# Altium PCB LimeKEY-RPCM_1v1.PcbDoc (part 7 of 8)
Units mm, origin at the board's own origin, x right, y up, seen from the top; angles counter-clockwise.
Board outline 170 x 110 mm, 6 copper layers (Top, L2, L3, L4, L5, Bottom), stack 1.583 mm thick; 724 components, 437 nets, 3151 pads, 1373 vias.
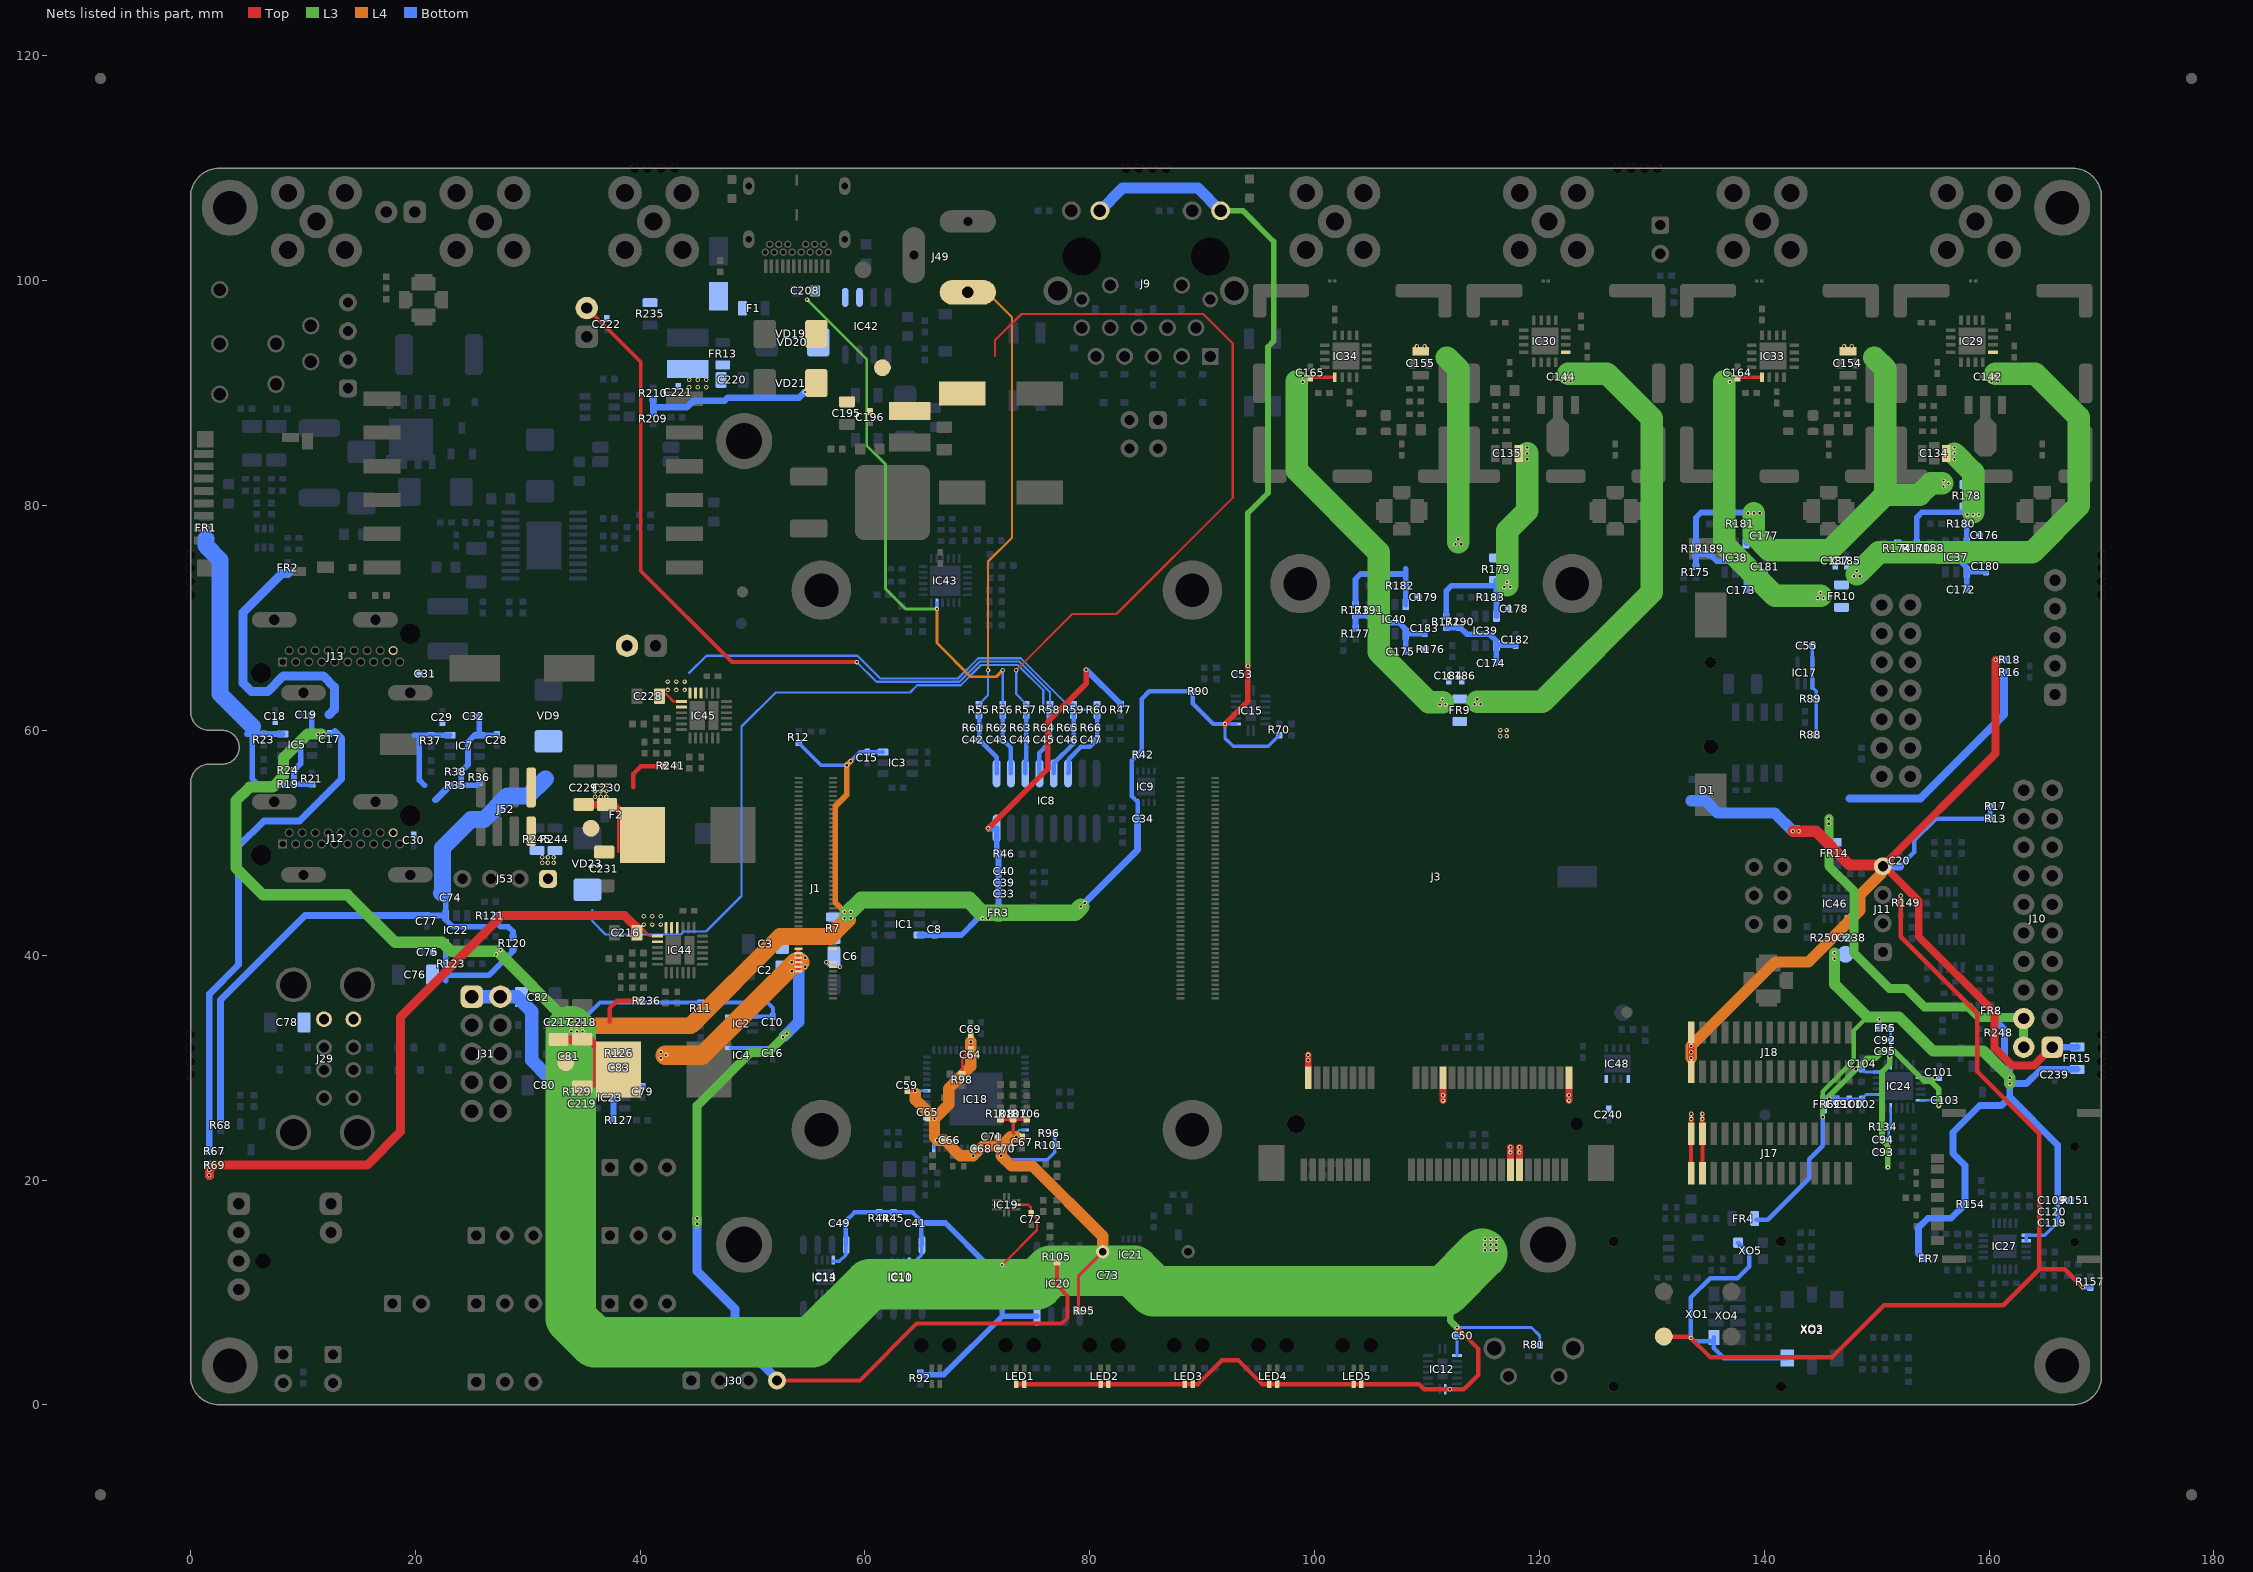
[diagram p11: the nets of this part, all layers, seen from the top]

## Via types
v1: diameter 0.4, hole 0.2, Top to Bottom, tented both sides, 1353 vias
v2: diameter 0.5, hole 0.2, Top to Bottom, tented both sides, 20 vias

## Nets (pads, with @x,y where several pads share a name; then routed paths per layer and width w, separated by ;. In a path a pad name is that pad's centre, name@x,y a point inside that pad or via, vN(x,y) a via of type N, cw(c..) or ccw(c..) an arc to the next point about the centre after c; other vN are vias at no path point) (continued)
VCC3P3: BZ1.1 C8.1 C10.1 C15.1 C17.1 C19.2 C20.1 C34.1 C41.1 C49.1 C50.2 C53.2 C59.1 C64.2 C65.1 C66.1 C67.1 C68.1 C69.1 C70.1 C71.2 C72.1 C73.1 C217.2 C218.2 C219.2 C240.2 D1.A1 FR2.2 FR3.1 FR15.1 IC1.6 IC2.1 IC2.5 IC3.6 IC5.1 IC9.8 IC10.8 IC11.8 IC12.10 IC12.16 IC13.8 IC14.8 IC15.10 IC15.16 IC18.5 IC18.10 IC18.24 IC18.46 IC18.52 IC18.57 IC18.64 IC19.9 IC20.8 IC21.8 IC48.5 IC48.8 J1.78 J3.2 J3.24 J3.39 J3.41 J3.52 J9.15 J9.17 J10.1 J11.4 J17.14 J17.15 J18.15 L7.2 LED1.1 LED1.2 LED2.1 LED2.2 LED3.1 LED3.2 LED4.1 LED4.2 LED5.1 LED5.2 R7.2 R11.1 R12.1 R13.2 R17.2 R18.1 R19.2 R21.2 R24.1 R42.2 R44.2 R45.2 R67.1 R70.1 R81.1 R90.1 R92.2 R95.2 R96.1 R98.2 R101.2 R106.2 R107.2 R108.2 R236.1 TP3.1 | length 782.8
  Top w0.2: 35.925,28.3 35.925,32.075 ; C59.1@63.75,27.95 v1(64.475,27.95) ; C65.1@65.6,25.525 65.675,25.45 v1(66.175,25.45) ; R98.2@68.65,29.425 68.65,30.925 69.2,31.475 69.25,31.475 C64.2@69.4,31.625 v1(69.4,32.3) C69.1@69.4,32.925 ; v1(69.625,22.15) 69.842,22.367 C68.1@69.842,22.792 C68.1@69.85,22.8 ; v1(72.2,12.45) 75.3,15.55 75.3,16.5 74.975,16.825 74.925,16.825 74.775,16.975 C72.1@74.775,17.025 74.775,17.55 74.525,17.8 IC19.9@73.425,17.8 ; v1(73.45,23.85) v1@73.475,23.875
  Top w0.3: v1(66.4,23.55) C66.1@67.025,23.55 ; C71.2@71.8,23.85 71.95,23.7 C70.1@71.95,22.8 71.95,22.352 ; R108.2@71.95,25.4 R107.2@73.175,25.4 ; v1(73.45,23.85) C67.1@74,23.85 ; v1@73.475,23.875 73.175,24.175 R107.2@73.175,25.4 ; R106.2@74.4,25.4 R107.2@73.175,25.4 ; R95.2@79,8.35 79,11.475 BZ1.1@81.15,13.625
  Top w0.35: J17.15@133.5,20.625 J17.15@133.5,24.125 ; J17.14@134.5,20.625 J17.14@134.5,24.125
  Top w0.4: 37.275,34.075 37.275,35.275 37.948,35.948 40.084,35.948 R236.1@40.091,35.948 R236.1@40.098,35.948 ; LED1.1@73.46,1.853 LED1.2@74.16,1.853 ; 73.875,1.85 80.96,1.85 LED2.1@80.96,1.853 LED3.1@88.46,1.853 89.628,1.853 91.725,3.95 93.225,3.95 95.322,1.853 103.175,1.853 ; LED5.1@103.46,1.853 104.16,1.853 LED5.2@104.16,1.85 ; LED5.2@104.308,1.85 109.275,1.85 109.741,1.384 v1(112.025,1.384) 113.284,1.384 114.575,2.675 114.575,4.975 v1(112.675,6.875) ; J17.15@133.5,24.125 v1(133.5,25.437) v1(133.5,25.9) ; J17.14@134.5,24.125 v1(134.5,25.437) v1(134.5,25.9)
  Top w0.5: v1(92.025,60.575) 94.064,62.614 v1(94.064,65.75)
  Top w0.6: J3.2@99.425,29.1 v1(99.425,31.125) ; v1(111.425,27.075) J3.24@111.425,29.1 ; J3.39@117.425,20.9 v1(117.425,22.925) ; J3.41@118.225,20.9 v1(118.225,22.925) ; v1(122.625,27.075) J3.52@122.625,29.1 ; J18.15@133.5,29.1 J18.15@133.5,29.625 v1(133.5,31.375) J18.15@133.5,33.125
  Top w0.7: C217.2@33.05,32.525 33.063,32.512 35.162,32.512 35.175,32.5 35.5,32.5 35.925,32.075 36.025,31.975 36.425,31.975 38.075,30.325 L7.2@38.075,29.825 ; J11.4@150.55,47.914 160.582,57.946 v1(160.582,66.282) ; J11.4@151.025,47.55 153.75,44.825 153.75,41.65 160.5,34.9 160.5,31.75 162.05,30.2 164,30.2 J10.1@165.62,31.82
  Top w1: v1(142.55,51.025) v1(143.05,51.025) 144.6,51.025 147.6,48.025 150.439,48.025 J11.4@150.55,47.914
  L3 w0.5: J9.15@91.64,106.225 93.625,106.225 96.35,103.5 96.35,94.625 95.85,94.125 95.85,81.125 94.064,79.339 v1(94.064,65.75)
  L3 w0.6: 112.075,9.2 112.075,7.475 v1(112.675,6.875)
  L3 w1: v1@11.65,59.675 v1(11.35,59.675) 10.4,59.675 8.275,57.55 8.275,55.925 7.325,54.975 5.275,54.975 4.05,53.75 4.05,47.775 6.45,45.375 13.975,45.375 18.2,41.15 22.375,41.15 23.175,40.35 27.3,40.35 27.375,40.275 33.55,34.1
  L3 w1.5: 58.425,43.65 59.675,44.9 69.25,44.9 70.375,43.775 78.675,43.775 v1@79.212,44.312
  L3 w4.5: v1@33.825,33.225 33.825,7.7 35.95,5.575 55.3,5.575 60.45,10.725 72.2,10.725 75.325,10.725 76.513,11.913 83.888,11.913 85.7,10.1 111.55,10.1 114.9,13.45
  L4 w0.5: v1(58.175,43.85) 57.35,44.675 57.35,53.25 58.375,54.275 v1(58.375,56.9) v1(58.725,57.25)
  L4 w1: 64.475,27.725 64.475,27.15 v1(66.175,25.45) ; v1(69.4,32.3) 69.4,30.1 67.45,28.15 67.45,26.725 v1(66.175,25.45) ; v1(73.45,23.85) 72.95,23.85 72.125,23.025 ; BZ1.1@81.15,13.625 81.15,15 74.9,21.25 73.025,21.25 v1(72.125,22.15) 72.125,23.025 ; v1(133.5,30.85) v1(133.5,31.925) 140.975,39.4 143.925,39.4 148.525,44 148.525,45.375 150.435,47.285 150.435,47.799 J11.4@150.55,47.914 ; v1(66.175,25.45) 66.175,23.775 v1(66.4,23.55) 67.075,23.55 68.475,22.15 v1(69.625,22.15) 70.5,23.025 72.125,23.025
  L4 w1.5: 34.075,33.725 44.5,33.725 52.425,41.65 56.935,41.65 58.45,43.165 58.45,43.55
  Bottom w0.2: v1(64.475,27.95) IC18.10@65.5,27.95 ; IC18.5@65.5,25.45 v1(66.175,25.45) ; IC18.64@66.125,22.825 66.125,23.275 v1(66.4,23.55) ; v1(69.4,32.3) 69.625,32.075 IC18.24@69.625,31.575 ; v1(69.625,22.15) IC18.57@69.625,22.825 ; v1(72.125,22.15) IC18.52@72.125,22.825 ; v1(73.45,23.85) 73.45,24.175 73.725,24.45 IC18.46@74.25,24.45
  Bottom w0.25: v1@92.025,60.57 IC15.10@93.014,60.57 ; IC15.16@94.064,63.57 v1(94.064,65.75) ; IC12.16@111.625,1.384 v1(112.025,1.384) ; IC12.10@112.675,4.384 v1(112.675,6.875) 119.3,6.875 120.025,6.15 R81.1@120.025,5.355
  Bottom w0.3: IC14.8@57.175,12.775 57.725,12.775 58.273,13.323 IC13.8@58.273,14.168 ; IC11.8@63.925,12.775 64.475,12.775 65.023,13.323 IC10.8@65.023,14.168 ; v1(72.125,22.15) 72.475,21.8 76.2,21.8 76.875,22.475 R101.2@76.875,23.075 R96.1@76.875,24.175 ; BZ1.1@81.15,13.625 81.15,12.475 81.525,12.1 81.575,12.1 81.725,11.95 IC21.8@82.95,11.95 ; v1@92.025,60.57 92.025,59.325 92.75,58.6 95.88,58.6 R70.1@96.85,59.57
  Bottom w0.35: v1(34.875,34.225) 36.425,35.775 51.325,35.775 51.8,35.3 C10.1@51.8,34.55 IC2.5@48.06,34.551 ; R12.1@54.1,58.9 56.1,56.9 v1(58.375,56.9) 59.55,58.075 C15.1@60.213,58.075 IC3.6@61.6,58.075
  Bottom w0.4: IC13.8@58.273,14.168 58.292,14.187 58.292,14.955 58.273,14.974 58.273,16.327 59.06,17.115 R44.2@61.27,17.115 R45.2@62.54,17.115 64.235,17.115 65.023,16.327 65.023,14.974 65.042,14.955 65.042,14.187 IC10.8@65.023,14.168 ; C34.1@84.25,52.149 IC9.8@84.25,53.6 84.25,53.638 83.75,54.138 83.75,57.351 R42.2@84.25,57.851 84.625,58.226 84.625,62.8 85.3,63.475 R90.1@89.175,63.475 89.175,62.375 90.98,60.57 v1@92.025,60.57 ; C20.1@152.071,47.9 153.325,49.154 153.325,50.225 155.25,52.15 R13.2@160.1,52.15 R17.2@160.1,53.25
  Bottom w0.5: R19.2@9.2,55.213 R24.1@9.2,56.438 9.81,57.048 9.81,59.074 10.4,59.664 10.4,59.673 v1(11.85,59.675) C17.1@12.385,59.673 ; R19.2@9.213,55.2 R21.2@10.8,55.2 ; IC5.1@10.8,59.675 C19.2@10.8,61.373 ; IC1.6@64.825,41.8 C8.1@66.212,41.8 68.575,41.8 70.06,43.285 v1(70.968,43.285) FR3.1@71.876,43.285 ; R92.2@64.91,2.853 65.088,2.675 67,2.675 72.2,7.875 ; C41.1@65.025,16.175 67.15,16.175 70.875,12.45 v1(72.2,12.45) 72.2,7.875 ; IC20.8@75.295,7.875 72.2,7.875
  Bottom w0.6: R67.1@1.675,22.578 1.675,36.55 4.275,39.15 4.275,49.7 6.525,51.95 9.7,51.95 13.425,55.675 13.425,59.333 12.854,59.904 ; v1(79.2,44.325) 84.25,49.375 C34.1@84.25,52.149 ; v1(160.582,66.282) R18.1@161.332,66.282 ; J10.1@165.62,31.82 167.82,31.82 FR15.1@167.85,31.85
  Bottom w0.7: J11.4@150.536,47.9 C20.1@152.071,47.9
  Bottom w0.8: FR2.2@8.65,73.952 8.127,73.952 4.675,70.5 4.675,64.2 5.425,63.45 6.85,63.45 8.25,64.85 11.8,64.85 12.8,63.85 12.8,61.875 12.325,61.4
  Bottom w1: J9.17@80.9,106.225 82.925,108.25 89.615,108.25 J9.15@91.64,106.225 ; D1.A1@133.475,53.738 D1.A1@133.758,53.738 134.762,53.738 135.85,52.65 140.925,52.65 v1(142.55,51.025) v1(143.05,51.025)
  other v1: 115.15,13.75 115.65,13.75 116.15,13.75 115.15,14.25 115.65,14.25 116.15,14.25 115.15,14.75 115.65,14.75 116.15,14.75 117.425,22.45 118.225,22.45 111.425,27.55 122.625,27.55 99.425,30.65 33.875,33.225 34.375,33.225 34.875,33.225 33.875,33.725 34.375,33.725 34.875,33.725 33.875,34.225 34.375,34.225 27.175,40.075 27.579,40.454 70.45,43.275 58.175,43.3 58.725,43.3 58.725,43.85 79.55,44.65
VCC3P3_CLK: C109.2 C119.1 C120.1 C238.2 C239.2 FR4.1 FR5.1 FR6.1 FR7.1 FR8.2 FR15.2 IC27.16 IC27.17 IC46.1 R151.2 R154.2 R248.2 R250.2 TP5.1 | length 99.9
  L3 w0.4: v1(145.199,25.589) 145.199,27.874 147.975,30.65 147.975,33.301 149.174,34.501
  L3 w1: v1(146.25,40.2) v1(146.25,39.688) 146.25,37.425 149.174,34.501 151.999,34.501 155.025,31.475 159.481,31.475 v1(161.85,29.106) v1(161.85,28.581)
  Bottom w0.3: IC27.17@163.3,14.6 IC27.16@163.3,15.1 164.024,15.1 164.95,15.1 166.05,16.2 C119.1@166.1,16.2
  Bottom w0.4: FR4.1@139.275,16.475 140.325,16.475 144,20.15 144,21.85 145.199,23.049 v1(145.199,25.589) ; v1(145.199,25.589) FR6.1@145.2,26.225 ; FR5.1@150.25,33.5 v1(150.251,34.3) ; C119.1@166.1,16.2 C120.1@166.1,17.2 C109.2@166.1,18.2 R151.2@167.225,18.2
  Bottom w0.6: FR7.1@154.2,13 153.725,13.475 153.725,15.775 154.55,16.6 156.624,16.6 R154.2@157.864,17.84 157.864,21.311 156.8,22.375 156.8,24.25 159.175,26.625 161.1,26.625 161.85,27.375 ; FR8.2@160.199,34.574 161.375,33.398 161.375,30.838 161.85,30.363 v1(161.85,29.106) v1(161.85,28.581) ; C109.2@166.1,18.2 166.1,23.125 161.85,27.375 ; FR15.2@167.85,29.85 164.6,29.85 163.331,28.581 v1(161.85,28.581) ; 161.85,27.375 v1(161.85,28.581)
VCC3P3_LMK: C92.2 C93.2 C94.2 C95.2 FR5.2 IC24.8 IC24.23 R134.2 | length 19
  L3 w0.5: v1(151,21.125) 151,23.025 150.475,23.55 150.475,29.625 151.175,30.325 v1(151.175,31)
  Bottom w0.25: C93.2@151.075,22.45 C94.2@151.075,23.575 R134.2@151.075,24.75 151.25,24.925 IC24.23@151.25,26.425 ; IC24.8@151.25,30.275 151.25,31 C95.2@151.25,31.45 C92.2@151.25,32.45 FR5.2@151.25,33.5
  Bottom w0.4: v1(151,21.125) C93.2@151,22.45
VCC3P3_LMK_VDDO: C99.2 C100.2 C101.2 C102.2 C103.2 C104.2 FR6.2 IC24.2 IC24.6 IC24.14 IC24.18 | length 25.6
  L3 w0.5: v1(145.787,27.225) 145.787,27.487 v1(148.15,29.85) 149.124,30.824 149.874,30.824 150.65,31.6 151.425,31.6 154.25,28.775 154.849,28.775 ; v1(155.175,29.101) 154.849,28.775 ; v1(155.525,26.626) 155.525,28.099 154.849,28.775
  Bottom w0.25: C99.2@146.45,27.225 C100.2@147.575,27.225 C102.2@148.7,27.225 148.7,27.275 148.825,27.4 148.875,27.4 149.075,27.6 IC24.2@150.075,27.6 ; C104.2@148.825,29.675 148.896,29.675 148.971,29.6 IC24.6@150.075,29.6 ; IC24.18@153.925,27.1 C103.2@155.6,27.1 ; IC24.14@153.925,29.1 C101.2@155.575,29.1
  Bottom w0.4: v1(148.15,29.85) C104.2@148.625,29.85 ; v1(155.525,26.626) C103.2@155.525,27.1
  Bottom w0.6: FR6.2@145.275,27.225 145.862,27.225 C99.2@146.45,27.225
VCC3P3_RPI: C6.2 J1.84 J1.86 R7.1 | length 1.2
  Top w0.2: v1(56.555,39.375) J1.84@57.165,39.375 ; J1.86@57.165,38.975 v1(57.775,38.975)
VCC3P3_SD: C18.1 FR1.2 IC5.6 R19.1 R23.2 | length 28.2
  Bottom w0.5: 5.012,59.675 IC5.6@8.2,59.675 ; 5.485,59.373 5.485,55.673 5.945,55.213 R19.1@8.2,55.213
  Bottom w1.5: FR1.2@1.375,77.05 1.375,76.425 2.625,75.175 2.625,63.225 5.5,60.35
VCC3P3A: C33.2 C39.2 C40.2 FR3.2 IC8.16 R46.2 R47.1 | length 29.9
  Top w0.5: v1(70.963,51.277) 76.25,56.564 76.25,60.75 79.686,64.186 v1(79.686,65.4)
  Bottom w0.5: v1(70.963,51.277) IC8.16@71.713,51.277 71.713,49.173 R46.2@71.876,49.01 C33.2@71.876,45.46 FR3.2@71.876,44.285 ; v1(79.686,65.4) R47.1@82.751,62.335
VCC5P0: C2.2 C3.2 C16.1 C28.1 C32.2 C55.1 C74.1 C77.2 C79.1 C83.2 C229.2 C230.2 C231.2 FR9.1 FR10.1 FR14.1 IC4.1 IC4.5 IC7.1 IC17.1 IC17.5 IC22.1 IC23.1 J1.77 J1.79 J1.81 J1.83 J1.85 J1.87 J10.2 J10.4 J30.4 L8.2 R16.1 R35.2 R36.2 R38.1 R68.1 R88.2 R89.2 R105.2 R120.2 R121.2 R126.2 R127.2 R241.2 TP4.1 VD9.A | length 255.9
  Top w0.2: 38.05,49.175 38.05,52.95 ; v1(53.475,38.575) J1.87@54.085,38.575 ; v1(53.475,39.375) J1.83@54.085,39.375 ; J1.85@54.085,38.975 v1(54.695,38.975) ; J1.81@54.085,39.775 v1(54.695,39.775)
  Top w0.35: J30.4@52.173,1.938 52.398,2.163 59.538,2.163 64.6,7.225 77.5,7.225 78.025,7.75 78.025,9.7 77.075,10.65 R105.2@77.075,12.675
  Top w0.4: 39.4,54.95 39.4,56.15 40.073,56.823 42.209,56.823 R241.2@42.223,56.823 ; 54.085,38.675 J1.83@54.085,39.375 J1.81@54.085,39.775 J1.79@54.085,40.175 54.085,40.45
  Top w0.7: C229.2@35.175,53.4 35.188,53.388 37.287,53.388 37.3,53.375 37.625,53.375 38.05,52.95 38.15,52.85 38.55,52.85 40.2,51.2 L8.2@40.2,50.7
  L3 w0.8: v1(45.075,16.1) v1(45.075,16.6) 45.075,26.625 49.775,31.325 51.35,31.325 v1(53.05,33.025) ; v1(145.75,52.15) v1(145.75,51.7) 145.75,47.925 148,45.675 148,40.175 151.15,37.025 152.625,37.025 154.275,35.375 158.2,35.375 159.125,34.45 162.99,34.45 J10.4@163.08,34.36 J10.2@163.08,31.82
  L4 w1.7: v1@42.2,31.1 45.55,31.1 53.825,39.375 54.2,39.375
  Bottom w0.3: C55.1@144.285,67.55 IC17.5@144.285,66.08 IC17.1@144.285,64.15 144.285,63.83 144.625,63.49 R89.2@144.625,62.8 R88.2@144.625,59.6
  Bottom w0.35: IC4.5@48.06,31.76 C16.1@51.8,31.76
  Bottom w0.5: C77.2@21.01,43.53 IC22.1@22.708,43.53 ; C74.1@22.71,45.115 22.71,43.13 22.719,43.13 23.309,42.54 26.743,42.54 27.158,42.955 ; R36.2@25.675,55.338 25.45,55.113 R35.2@24.075,55.113 R38.1@24.075,56.338 24.685,56.948 24.685,58.974 25.275,59.564 25.275,59.573 C28.1@27.26,59.573 ; IC7.1@25.675,59.575 C32.2@25.675,61.273 ; R121.2@27.158,43.53 27.158,42.955 ; R120.2@28.683,41.58 28.683,42.105 28.258,42.53 27.583,42.53 27.158,42.955 ; R127.2@37.625,25.329 37.625,27.676 38.225,28.276 38.225,28.285 C79.1@40.21,28.285 ; IC23.1@38.625,28.287 C83.2@38.625,29.985
  Bottom w0.6: R68.1@2.675,25.375 2.675,36.025 10.18,43.53 C77.2@21.01,43.53 ; C16.1@51.8,31.76 v1@52.8,32.76
  Bottom w0.7: 147.575,53.95 153.889,53.95 161.332,61.393 R16.1@161.332,65.182
  Bottom w0.8: v1(45.075,16.6) v1(45.075,16.1) 45.075,11.9 48.45,8.525 48.45,6.025 J30.4@52.243,2.232
  Bottom w1: v1@52.8,32.76 54.1,34.06 54.1,38.525
  Bottom w1.5: 22.3,45.525 22.4,45.625 22.4,49.525 24.95,52.075 26.1,52.075 28.175,54.15 30.025,54.15 31.575,55.7
  other v1: 41.825,30.85 42.3,31.125 41.825,31.4 52.7,32.7 36,54.1 36.5,54.1 37,54.1 36,54.6 36.5,54.6 37,54.6 36,55.1 36.5,55.1 37,55.1 116.525,59.475 117.075,59.475 116.525,60.025 117.075,60.025
VCC5P0_HDMI: C29.1 C30.1 C31.1 IC7.6 J12.18 J13.18 R35.1 R37.2 | length 9.4
  Bottom w0.5: 19.887,59.575 IC7.6@23.075,59.575 ; 20.36,59.273 20.36,55.573 20.82,55.113
  Bottom w0.6: 21.787,53.825 R35.1@23.075,55.113
VCC5P0_RFA: C144.1 C165.1 C174.1 C175.1 C182.2 C183.2 C184.2 C186.1 FR9.2 IC30.1 IC34.1 IC39.1 IC40.1 R172.2 R173.2 R176.1 R177.1 R190.1 R191.1 | length 99.5
  Top w0.325: C165.1@99.625,91.328 99.712,91.415 IC34.1@101.8,91.415 ; C144.1@122.35,91.562 C144.1@122.438,91.475
  L3 w2: 98.425,91.075 98.425,83.125 105.7,75.85 105.7,66.975 110.175,62.5 111.4,62.5 ; 114.475,62.55 120.25,62.55 129.975,72.275 129.975,87.775 126,91.75 122.55,91.75
  Bottom w0.5: R177.1@103.65,69.1 cw(c103.679,69.129) 103.638,69.129 R173.2@103.638,70.2 R191.1@104.863,70.2 105.473,69.59 107.499,69.59 108.089,69 108.098,69 C175.1@108.098,67.015 ; IC40.1@108.1,68.6 C183.2@109.798,68.6 ; R172.2@111.715,69.16 R190.1@112.94,69.16 113.55,68.55 115.576,68.55 116.166,67.96 116.175,67.96 C174.1@116.175,65.975 ; IC39.1@116.177,67.56 C182.2@117.875,67.56
  other v1: 111.125,62.3 111.65,62.3 114.225,62.325 114.75,62.325 111.375,62.75 114.475,62.775 98.95,91 122.215,91.05 122.765,91.05 98.95,91.55
VCC5P0_RFB: C142.1 C164.1 C172.1 C173.1 C180.2 C181.2 C185.2 C187.1 FR10.2 IC29.1 IC33.1 IC37.1 IC38.1 R170.2 R171.2 R174.1 R175.1 R188.1 R189.1 | length 86.9
  Top w0.325: C164.1@137.625,91.328 137.712,91.415 IC33.1@139.8,91.415
  L3 w2: 136.425,91.075 136.425,76.525 140.975,71.975 145.025,71.975 ; 148.25,73.9 148.375,74.025 150.2,75.85 163.85,75.85 167.975,79.975 167.975,87.875 164.1,91.75 160.55,91.75
  Bottom w0.5: R175.1@133.925,74.575 R171.2@133.925,75.673 R189.1@135.15,75.673 135.76,75.062 137.786,75.062 138.376,74.472 138.385,74.472 C173.1@138.385,72.488 ; IC38.1@138.387,74.072 C181.2@140.085,74.072 ; R174.1@151.85,76.7 151.9,76.65 152.225,76.65 153.125,75.75 153.513,75.75 R170.2@153.563,75.7 R188.1@154.788,75.7 155.398,75.09 157.424,75.09 158.014,74.5 158.023,74.5 C172.1@158.023,72.515 ; IC37.1@158.025,74.1 C180.2@159.723,74.1
  other v1: 144.75,71.775 145.275,71.775 145,72.225 147.975,73.725 148.5,73.725 148.225,74.175 136.95,91 160.215,91.05 160.765,91.05 136.95,91.55
VCC5P0_RXA_LNA: C155.1 C179.1 IC40.6 R173.1 R179.1 R182.2 | length 26.6
  L3 w2: 111.775,93.175 112.775,92.175 112.775,76.75
  Bottom w0.5: R173.1@103.638,71.2 103.638,73.455 104.098,73.915 107.798,73.915 ; IC40.6@108.1,71.2 108.1,74.388
  other v1: 112.525,76.55 113.05,76.55 112.775,77 109.1,94.175 109.78,94.175
VCC5P0_RXB_LNA: C154.1 C177.1 IC38.6 R171.1 R178.1 R181.2 | length 42.6
  L3 w2: v1(139.085,79.325) 139.085,77.415 140.475,76.025 145.825,76.025 150.775,80.975 ; 149.775,93.175 150.775,92.175 150.775,80.975 ; 155.825,81.975 154.825,81.975 153.825,80.975 150.775,80.975
  Bottom w0.5: R171.1@133.925,76.672 133.925,78.928 134.385,79.387 138.085,79.387 ; IC38.6@138.387,76.672 R181.2@138.387,78.36
  other v1: 138.56,79.325 139.61,79.325 155.95,81.7 156.4,81.975 155.95,82.225 147.1,94.175 147.78,94.175
VCC5P0_TXA_PA: C135.1 C178.1 IC39.6 R172.1 R179.2 R183.2 | length 22.2
  L3 w2: 117.15,72.925 117.15,77.775 118.925,79.55 v1(118.925,84.112) v1(118.925,84.637)
  Bottom w0.5: R172.1@111.715,70.16 111.715,72.415 112.175,72.875 115.875,72.875 ; IC39.6@116.177,70.16 R179.2@116.177,73.348
  other v1: 116.875,72.75 117.4,72.75 117.125,73.2 118.925,85.162
VCC5P0_TXB_PA: C134.1 C176.1 IC37.6 R170.1 R178.2 R180.2 | length 15.7
  L3 w2: v1@156.925,84.612 158.575,82.962 158.575,79.425
  Bottom w0.5: R170.1@153.563,76.7 153.563,78.955 154.023,79.415 157.723,79.415 ; IC37.6@158.025,76.7 R180.2@158.025,78.388 R178.2@158.025,79.888
  other v1: 158.05,79.2 158.575,79.2 159.1,79.2 156.925,84.112 156.925,84.637 156.925,85.162
VCC5P0_USBE: C75.1 C76.2 C78.2 IC22.6 J29.B1 J29.T1 R120.1 R123.2 | length 10
  Bottom w0.5: 22.708,37.742 IC22.6@22.708,40.93 ; 23.01,38.215 26.543,38.215 28.683,40.355 R120.1@28.683,40.58
VCC5P0_USBH: C80.2 C81.1 C82.2 IC23.6 J31.1 J31.2 R126.1 R129.2 | length 13.7
  Bottom w1.2: J31.1@25.029,36.311 29.039,36.311 30.35,35 30.35,30.65 31.85,29.15 C80.2@33.175,29.15
VCC12P0_POE: C195.2 C196.1 C198.1 L5.2 R57.1 R209.1 R210.1 TP1.1 VD21.A | length 82.6
  Top w0.2: 71.575,93.325 71.575,94.7 73.925,97.05 90.1,97.05 92.725,94.425 92.725,80.7 82.375,70.35 78.45,70.35 v1(73.45,65.35)
  Bottom w0.2: v1(73.45,65.35) 73.45,63.236 R57.1@74.351,62.335
  Bottom w0.6: R209.1@41.155,88.247 41.155,88.747 ; R210.1@41.155,89.47 41.155,88.747 ; v1(54.663,90.113) 54.15,89.6 47.8,89.6 47.525,89.325 44.73,89.325 44.153,88.747 41.155,88.747